# KiCad board SignalSnagger.kicad_pcb (continued)
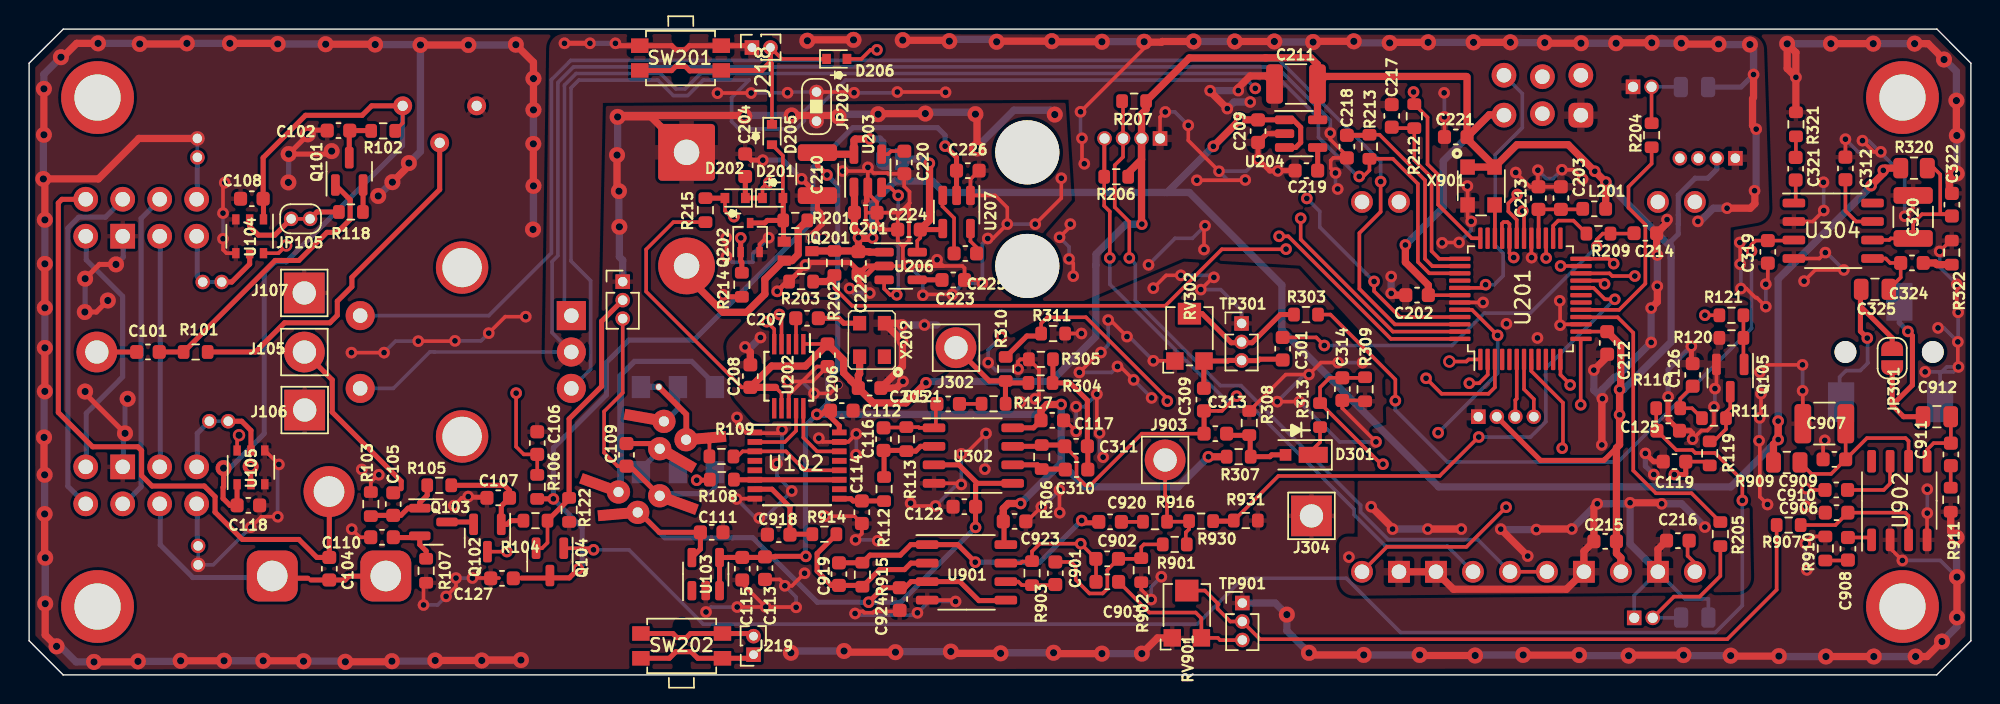
[diagram p0: board, top side]
## Routing (per net, layer and track width the routed paths; a pad name or vN(x,y) marks a point on that pad's centre or on a via; arc(x,y) is an arc through that point) (continued)
GNDD: length 500.7
  Top w0.25: U201.29 103.16,28.67 v1(103.18,28.66) ; v1(47.28,39.95) 47.28,39.96 v1(49.58,39.96) ; C203.1 C213.2 103.07,33.52 v1(102.1,34.5) ; v1(71.42,28.56) 71.7,28.27 v1(71.7,27.38) ; v1(56.65,39.98) 56.6,40.03 JP202.1 ; v1(99.03,31.14) 98.79,31.39 X901.2 98.79,33.56 v1(98.77,33.57) ; 90.5,35.64 89.36,36.78 v1(89.36,37.21) ; v1(53.9,19.33) 55,19.33 v3(55.57,19.9) ; v1(80.76,30.85) 80.68,30.78 v1(80.68,29.21) ; v1(72.46,35.1) 72.3,35.26 v1(72.3,36.85) ; v1(83.52,33.99) 83.5,33.97 v1(80.2,33.97) ; 76.98,43.45 v1(72.2,38.67) ; v1(78.02,38.66) 77.67,38.3 TP201.1 ; v1(89.71,34.47) 89.39,34.8 89.39,35.32 89.57,35.5 C218.1 ; v1(98.2,29.7) 97.06,29.7 v1(97.04,29.67) ; U201.15 105.2,24.08 v1(105.14,24.02) 105.14,25.66 v1(105.11,25.69) ; v1(105.27,34.69) 106.03,34.69 v1(106.68,34.04) ; U201.43 v1(99.85,25.58) ; C221.1 97.2,38.31 v1(97.19,38.32) ; v1(70.77,30.05) 71.51,30.79 v1(71.51,30.96) ; Q105.2 115.87,19.76 v1(115.77,19.66) ; U202.8 52.17,19.23 54.11,21.17 C206.1 53.81,20.16 v1(52.11,20.16) ; v1(114.24,16.18) 114.84,16.78 115.25,16.78 115.7,17.24 v1(115.7,18.4) ; v1(81.71,34.59) 79.61,36.7 v1(79.61,37.74) ; v1(103.61,34.66) 103.61,33.56 ; v1(59.62,40.03) 62.92,40.03 v1(62.93,40.01)
  Top w0.35: v1(38.52,43.37) v1(36.77,43.37) ; v1(114.15,22.57) 114.15,21.47 ; U204.2 85,37.17 C209.1 v1(84.39,35.41) 85.2,34.61 v1(85.76,34.61) 85.77,34.63 C219.2 ; SW202.2 43.97,1.14 44.42,1.59 45.47,1.59 45.92,1.14 SW202.2 49.63,1.14 ; C119.2 111.56,14.64 v1(110.99,15.21) ; v1(40.27,43.37) 40.43,43.21 SW201.2 44.13,43.21 44.4,42.94 45.07,42.94 45.34,43.21 SW201.2 49.52,43.21 ; v1(114.24,16.18) 114.24,16.59 114.07,16.77 113.34,16.77 112.56,17.55 v1(112.56,19.09)
  Top w0.5: C208.2 49.53,22.16 v1(49.17,22.52) ; v2(88.17,43.46) 88.23,43.51 v2(90.98,43.51) ; 58.74,24.15 v1(59.98,22.91) 59.98,21.18 C205.1 59.56,19.7 v1(60.02,20.16) ; v1(109.95,11.82) 112.05,11.82 v1(112.11,11.75) ; U205.12 111.86,8.62 C216.1 ; v2(96.08,43.44) 93.48,43.44 v2(93.43,43.4) ; v1(111.39,25.19) 111.82,25.61 v1(111.82,26.69) ; v1(98.36,10.01) v1(96.05,10.01) ; v1(105.95,10.02) 103.55,10.02 v1(103.51,9.98) ; v2(56.61,43.61) 53.51,43.61 v2(53.45,43.55) ; v1(82.29,38.89) 81.11,40.07 v1(81.11,40.12) ; v1(59.96,24.03) 59.84,24.15 X202.2 ; v1(112.48,31.27) 112.48,31.03 111.78,30.33 ; v1(111.82,28.83) 111.77,28.88 C214.2 ; C211.1 84.98,41.13 83.85,41.13 83.04,40.32 v1(83.04,40.13) ; v1(93.54,26.2) 93.66,26.08 C202.1 ; 118.11,43.23 v2(118.17,43.29) ; v2(111.43,43.41) 109.02,43.41 v2(108.98,43.38) ; v1(118.61,37.48) 118.36,37.73 118.36,39.58 ; v1(101.07,10.01) v1(102.92,8.16) ; v2(85.52,43.5) v2(82.8,43.5) ; v1(116.61,32.05) 118.2,32.05 118.52,32.36 118.52,33.23 v1(118.49,33.25) ; v2(76.58,43.48) 76.61,43.45 77.77,43.45 77.81,43.5 v2(79.97,43.5) ; v1(108,15.79) 108,18.93 v1(108.05,18.97) ; 118.42,39.65 v1(118.42,41.23) ; v2(104.08,43.42) 104.12,43.38 v2(106.58,43.38) ; v2(66.45,43.48) 66.48,43.52 v2(70.23,43.52) 70.27,43.48 v2(73.67,43.48) ; U205.19 U205.18 97.81,5.88 105.58,5.88 U205.14 106.77,8.48 C215.2 107.46,11.52 v1(107.7,11.75) ; v2(59.99,43.59) 60.01,43.58 63.14,43.58 v2(63.2,43.52) ; v1(92.17,11.55) 93.64,10.08 v1(93.64,10.01) ; 108.37,21.85 v1(107.45,20.93) ; v2(101.73,43.44) v2(99.2,43.44) ; v2(116.02,43.32) 113.52,43.32 v2(113.46,43.38)
  In1.Cu w0.25: v1(103.58,23.14) 104.46,24.02 v1(105.14,24.02) ; v1(105.14,24.02) 104.77,24.39 101.73,24.39 v1(101.45,24.11) 101.32,24.11 v1(99.85,25.58) 100.1,25.58 v1(103.18,28.66) 103.18,25.98 v1(105.14,24.02)
  In1.Cu w0.5: U205.19 92.73,7.08 92.73,7.58 92.03,8.28 91.04,8.28 90.74,7.98 v1(90.64,8.09) ; v1(101.07,10.01) 98.36,10.01 v1(98.36,10.01) ; v2(53.45,43.55) 51.35,41.45 49.84,41.45 49.64,41.66 J218.1
  In2.Cu w0.25: U205.19 90.26,3.27 85.92,3.27 84.22,1.57 82.71,1.57 81.76,2.51 50.88,2.51 J219.1
  Bottom w0.25: v1(89.71,34.47) 89.71,33.52 v1(89.86,33.37) ; v1(56.65,39.98) 59.57,39.98 v1(59.62,40.03) ; v1(115.7,18.4) 115.77,18.47 v1(115.77,19.66) ; JP202.1 52.14,40.03 v1(52.08,39.98) 49.6,39.98 v1(49.58,39.96) ; SW203.S2 25.01,19.67 27.52,22.18 27.83,22.18 27.84,22.17 SW203.C 35.91,23.5 35.91,28.38 36.31,28.78 36.31,40.68 37.38,41.75 85.69,41.75 89.36,38.08 v1(89.36,37.21) ; v1(53.9,19.33) 53.08,20.16 v1(52.11,20.16) ; v1(98.2,29.7) 99.03,30.53 v1(99.03,31.14) ; v1(84.39,35.41) 83.58,34.59 v1(81.71,34.59) 82.32,33.99 v1(83.52,33.99) ; v1(80.76,30.85) 79.89,29.98 78.7,29.98 v1(76.87,28.16) ; v1(78.02,38.66) 78.68,38.66 v1(79.61,37.74) ; v1(103.61,34.66) 104.19,34.09 104.66,34.09 v1(105.27,34.69) ; v1(97.19,38.32) 97.19,39.95 v1(97.17,39.97) ; v1(72.3,36.85) 72.2,36.95 v1(72.2,38.67) ; v1(102.1,34.5) 102.12,34.47 ; J204.1 110.23,5.45 U205.12 113.72,5.22 115.32,5.22 D204.1 ; v1(71.42,28.56) 71.42,29.4 v1(70.77,30.05)
  Bottom w0.35: v1(110.99,15.21) 110.99,14.34 v1(111.58,13.76) ; D203.1 117.57,40.37 v1(118.42,41.23) ; v1(112.56,19.09) 112.56,20.97 v1(114.15,22.57) ; v1(40.27,43.37) v1(38.52,43.37)
  Bottom w0.5: v1(82.29,38.89) 82.74,39.34 v1(83.86,39.34) ; v2(73.67,43.48) 73.68,43.49 76.57,43.49 v2(76.58,43.48) ; v2(113.46,43.38) 111.46,43.38 v2(111.43,43.41) ; v2(96.08,43.44) v2(99.2,43.44) ; U205.12 109.95,8.99 v1(109.95,11.82) 109.88,11.75 v1(107.7,11.75) 107.67,11.75 v1(105.95,10.02) ; v1(114.61,31.14) 114.76,31.14 115.66,32.05 v1(116.61,32.05) ; v1(50.22,23.17) 49.58,22.52 v1(49.17,22.52) ; v2(93.43,43.4) 91.08,43.4 v2(90.98,43.51) ; v2(88.17,43.46) 85.55,43.46 v2(85.52,43.5) ; v1(93.54,26.2) v1(93.54,27.35) 93.54,27.49 ; v1(81.11,40.12) 81.11,40.13 v1(83.04,40.13) ; 62.34,24.03 v1(61.48,24.03) 61.48,24.21 61.3,24.03 v1(59.96,24.03) 59.96,22.92 v1(59.98,22.91) ; v1(108.05,18.97) 107.45,19.56 v1(107.45,20.93) ; v2(82.8,43.5) v2(79.97,43.5) ; v2(104.08,43.42) 101.74,43.42 v2(101.73,43.44) ; v1(111.39,25.19) v1(111.39,22.83) 109,20.44 108.87,20.44 108,19.57 v1(108,15.79) ; v2(63.2,43.52) 63.32,43.64 66.29,43.64 v2(66.45,43.48) ; v1(101.07,10.01) 101.1,9.98 v1(103.51,9.98) ; v1(111.82,26.69) v1(111.82,28.83) ; v1(112.11,11.75) 113.48,11.75 v1(115.08,10.15) ; 56.64,43.59 v2(56.61,43.61) ; v2(116.02,43.32) 116.05,43.29 v2(118.17,43.29) 118.42,43.04 v1(118.42,41.23) ; v2(108.98,43.38) v2(106.58,43.38) ; v1(118.49,33.25) 118.61,33.36 v1(118.61,37.48) ; v1(96.05,10.01) v1(93.64,10.01)
Vbat: length 55.9
  Top w0.25: R202.1 55.3,26.56 56.52,25.35 78.03,25.35 81.91,29.23 86.31,29.23 v1(86.32,29.24) ; v1(104.18,28.63) 104.18,29.97
  Top w0.5: R203.2 54.85,27.01 R202.1
  In2.Cu w0.25: v1(86.32,29.24) 93.77,29.24 95.08,27.93 103.73,27.93 104.18,28.38 v1(104.18,28.63)
+BATT: length 13.5
  Top w0.5: 53.44,31.21 52.82,30.58 52.82,28.87 52.39,28.45 51.8,28.45 50.53,27.17 50.53,26.15 49.27,24.9 47.66,24.9 45.15,27.41
+VSW: length 131.8
  Top w0.35: U204.1 86.8,38.12 87.33,37.6 87.33,36.56 86.98,36.22 U204.3 ; C209.2 86.21,38.11
  Top w0.5: v1(81.33,36.3) v1(83.14,38.12) 84.39,38.12 ; 56.95,29.98 57.9,29.98 v1(57.92,30.01) ; 56.95,29.98 56.95,29.06 57.69,29.06 57.73,29.03 U206.1 ; 56.95,29.98 56.95,30.34 56.68,30.61 C201.2 56.68,33.45 ; 56.9,29.11 R202.2 53.82,29.11 ; v1(126.49,33.6) 127.33,34.44 v1(127.33,34.65) 127.48,34.8 R320.1 ; R909.1 119.79,15.84 v1(120.11,16.16) v1(120.11,17.43)
  Bottom w0.5: v1(83.14,38.12) v1(81.33,36.3) 78.15,33.13 ; 78.15,33.13 62.82,33.13 62.04,33.91 59.46,33.91 57.92,32.37 v1(57.92,30.01) 56.97,30.01 v1(56.95,30.02) ; 78.15,33.13 79.67,33.13 86.04,26.77 86.04,23.68 96.8,12.91 116.86,12.91 v1(120.11,16.16) v1(120.11,17.43) 120.11,27.18 126.49,33.56 v1(126.49,33.6) 127.33,34.44 v1(127.33,34.65)
/Processor/DAC0: length 3.7
  Top w0.25: R209.1 106.06,31.2 105.01,31.2 104.66,30.85 U201.26
/Processor/PA0: length 72.2
  Top w0.25: U201.44 99.09,25.08 v1(100.85,23.32)
  Top w0.35: 49.48,2.84 SW202.1 45.42,2.84 45.15,2.57 44.48,2.57 44.21,2.84 SW202.1
  In2.Cu w0.25: J219.2 50.06,2.96 64.26,2.96 71.03,9.73 83.28,9.73 88.83,15.28 95.41,15.28 v1(96.77,16.63)
  Bottom w0.25: v1(96.77,16.63) 96.78,16.63 100.85,20.7 v1(100.85,23.32)
/Processor/PA1: length 51.5
  Top w0.25: U201.45 94.14,24.58 92.36,26.35 v1(92.36,27.02) ; D206.2 57.15,42.3 57.78,42.92 v1(58.23,42.92)
  In2.Cu w0.25: v1(58.23,42.92) 58.54,42.61 76.75,42.61 83.22,36.13 85.26,36.13 87.74,33.64 v1(87.74,32.72)
  Bottom w0.25: v1(87.74,32.72) 88.64,31.83 88.64,30.75 v1(92.36,27.02)
/Processor/PC4: length 20.9
  Top w0.25: 106.59,24.56 109.1,24.56 110.17,23.49 110.17,14.03 111.72,12.47 114.17,12.47 R205.1
/Processor/PC5: length 15.7
  Top w0.25: R204.1 111.42,35.11 109.83,33.52 109.83,32.08 111,30.92 111,26.87 109.2,25.07 106.58,25.07
/Processor/PF2: length 99.8
  Top w0.25: v1(95.08,40.03) 95.08,39.25 ; R212.1 96.04,38.29 96.04,35.07 96.76,34.34 96.76,32.29 99.07,29.99 U201.36
  In2.Cu w0.25: v1(84.2,40.28) 94.83,40.28 v1(95.08,40.03)
  Bottom w0.25: SW203.B 38.56,21 38.56,27.07 37.21,28.42 37.21,40.31 37.75,40.85 43.17,40.85 44.24,39.79 45.23,39.79 46.3,40.85 49.45,40.85 48.24,39.64 48.24,38.01 48.75,37.5 52.68,37.5 53.24,38.06 53.24,38.71 53.73,39.21 54.42,39.21 56.06,40.85 83.63,40.85 v1(84.2,40.28)
/Processor/PF3: length 12.6
  Top w0.25: 98.24,28.57 96.85,28.57 96.31,29.1 96.31,34.16 95.13,35.34 R212.2 93.65,37.55
/Processor/PF4: length 14.6
  Top w0.25: 98.24,28.07 96.36,28.07 95.86,28.57 95.86,33.97 92.74,37.09 R213.2
  Top w0.35: C218.2 92.01,37.05
/Processor/PF5: length 89.1
  Top w0.25: 98.25,27.58 96.15,27.58 95.37,28.36 95.37,33.73 93.65,35.44 R213.1 92.05,34.65 91.62,34.23 v1(91.35,34.23)
  Bottom w0.25: v1(91.35,34.23) 91.24,34.23 88.55,36.93 88.55,38.26 85.5,41.3 46.11,41.3 45.05,40.24 44.42,40.24 43.36,41.3 37.57,41.3 36.76,40.5 36.76,25.14
/Processor/SCL1: length 4.2
  Top w0.25: U201.7 102.66,19.61 103.33,18.94 J208.4
/Processor/SDA1: length 4
  Top w0.25: U201.6 102.16,18.97 102.07,18.87 J208.3
ASSI_NEAR: length 39.2
  Top w0.25: 91.7,20.4 C314.1 89.32,20.4 88.65,19.74 R313.2 92.85,14.47 v1(92.98,14.47) ; U201.24 108.49,28.58 v1(108.82,28.24)
  In2.Cu w0.25: v1(108.82,28.24) 109.55,27.51 109.55,26.17 109.62,26.09 109.62,25.24 105.11,20.73 105.11,19.61 105.11,19.6 105.11,17.54 102.05,14.47 v1(92.98,14.47)
Audio I: length 38.6
  Top w0.25: R931.1 85.79,13.66 96.86,13.66 99.54,16.33 v1(99.55,16.33) ; v1(108.89,25.79) 108.22,25.79 107.44,26.58 U201.20
  Top w0.35: R930.2 82.69,10.56
  Bottom w0.25: v1(108.89,25.79) 104.16,21.06 104.16,17.39 103.11,16.33 v1(99.55,16.33)
Audio Q: length 56.2
  Top w0.25: 69.5,23.41 69.5,24.14 69.92,24.56 72.58,24.56 78.17,18.97 v1(78.17,18.8) ; v1(108.2,26.85) 107.97,27.08 U201.21
  Top w0.35: 67.08,21.83 68.52,23.27 69.64,23.27
  In2.Cu w0.25: 104.55,18.47 104.55,21.19 108.17,24.82 108.17,26.83 v1(108.2,26.85) ; 104.54,18.52 104.54,17.76 102.38,15.61 99.01,15.61 97.18,17.43 79.54,17.43 v1(78.17,18.8)
Cardioid_Back: length 99.3
  Top w0.25: v4(14.42,16.46) 14.28,16.33 U105.6 ; v1(98.9,20.03) 99.58,20.03 100.17,20.62 100.17,21.66
  In2.Cu w0.25: v4(14.42,16.46) 14.23,16.27 14.23,14.06 14.9,13.39 17.97,13.39 22.7,18.12 27.84,18.12 28.34,18.62 31.05,18.62 31.38,18.3 38.07,18.3 40.65,20.88 62.13,20.88 62.29,20.72 66.16,20.72 66.59,21.14 66.59,21.16 69.21,23.78 69.93,23.78 71.73,25.59 89.55,25.59 95.68,19.45 98.33,19.45 v1(98.9,20.03)
Cardioid_Front: length 89.8
  Top w0.25: U201.1 98.85,21.66 98.7,21.52 v4(97.54,21.52) ; v4(17.65,29.49) 17.12,28.96 U104.6
  In2.Cu w0.25: v4(97.54,21.52) 94.89,21.52 89.92,26.48 88.05,26.48 82.4,32.13 62.77,32.13 61.38,30.75 43.16,30.75 42.13,29.72 34.24,29.72 33.63,30.33 18.49,30.33 v4(17.65,29.49)
Display_Reset: length 24.4
  Top w0.25: v1(105.29,15.57) 105.29,15.64 105.33,15.69 105.33,18.69 103.16,20.86 U201.8 ; v1(101.43,11.52) 98.7,8.79 93.24,8.79 U205.20
  In2.Cu w0.25: v1(101.43,11.52) 105.29,15.37 v1(105.29,15.57)
Encoder_switch: length 104.4
  Top w0.25: 98.24,24.07 93.8,24.07 91.36,26.51 91.36,30.34 92.82,31.8 v1(92.82,33.88)
  Bottom w0.25: v1(92.82,33.88) 92.82,35.26 85.87,42.2 37.2,42.2 35.86,40.87 35.86,28.97 31.57,24.67 SW203.S1
Headphone: length 98.7
  Top w0.25: D201.1 50.36,33.45 50.72,33.81 v1(50.8,33.81)
  Top w0.35: 49.19,34.22 D202.1 D201.1 ; 125.77,25.32 127.95,23.14 JP301.1 ; 125.77,25.32 125.77,26.43 ; 125.77,25.32 125.77,23.6 v1(126.23,23.13)
  In2.Cu w0.25: v1(50.8,33.81) 52.4,32.21 61.57,32.21 62.45,33.09 83.9,33.09 86.57,30.42 120.63,30.42 126.23,24.82 v1(126.23,23.13)
  Bottom w0.25: v1(126.23,23.13) 126.26,23.11 126.26,21.46 126.29,21.43 125.76,20.9 124.79,20.9 124.33,20.45 124.33,18.67
Headphone Detect: length 57.2
  Top w0.25: 98.22,23.08 93.52,23.08 86.48,30.12 v1(85.85,30.12) ; v1(48.41,31.47) 48.19,31.47 47.78,31.87 D202.2
  Top w0.35: R215.2 47.78,32.74
  In2.Cu w0.25: v1(85.85,30.12) 83.39,32.58 62.58,32.58 61.47,31.47 v1(48.41,31.47)
I OUT: length 7.4
  Top w0.25: 79.43,9.03 79.43,9.78 79.66,10 R930.1 ; J903.1 78.02,12.33 78.14,12.2 R916.2 79.62,10.52
I_amped: length 74.1
  Top w0.25: R903.2 68.87,8.48 69.4,9.01 v1(72.22,9.01) C902.1 ; C903.1 73.27,7.96 ; v1(110.27,27.39) 108.72,27.39 108.54,27.58 U201.22 ; 66.95,7.67 68.09,7.67 68.2,7.78 68.85,7.78
  In2.Cu w0.25: v1(72.22,9.01) 97.12,9.01 97.8,8.33 97.8,6.91 98.71,6.01 104.68,6.01 105.31,6.63 105.31,7.76 105.7,8.15 109.94,8.15 110.57,8.78 110.57,11.42 110.67,11.52 110.67,12.12 110.21,12.57 110.21,27.33 v1(110.27,27.39)
Power_enable: length 62.9
  Top w0.25: U201.3 100.66,19.75 100.22,19.31 97,19.31 v1(95.93,20.37)
  Top w0.35: v1(48.88,30.01) 48.86,30 Q202.1 48.86,28.41 48.94,28.33 48.94,27.66
  In2.Cu w0.25: v1(95.93,20.37) 95.45,20.86 94.91,20.86 89.74,26.04 87.86,26.04 82.22,31.68 63.11,31.68 60.45,29.03 49.86,29.03 v1(48.88,30.01)
Processor Audio: length 27.7
  Top w0.25: v1(88.95,22.62) 88.39,23.17 C301.1 ; 110.07,30.31 R209.2 108.07,30.31 107.66,29.89 v1(107.66,29.41)
  Bottom w0.25: v1(107.66,29.41) 103.09,24.85 99.94,24.85 97.7,22.62 v1(88.95,22.62)
PWM: length 20.7
  Top w0.25: v1(115.08,24.7) 116.08,24.7 ; 101.14,30.01 101.14,30.99 101.26,31.1 101.52,31.1 101.66,30.96 U201.32 101.66,28.96 v1(101.95,28.66)
  In2.Cu w0.25: v1(115.08,24.7) 114.92,24.7 110.65,28.97 108.49,28.97 108.21,28.69 106.68,28.69 105.87,29.49 102.78,29.49 v1(101.95,28.66)
Q OUT: length 7.3
  Top w0.35: R304.1 67.2,20.05 ; J302.1 65.94,20.19 R310.1 ; 67.05,18.63 67.05,20.17
Q_amped: length 50.8
  Top w0.25: v1(105.17,28.08) 106.57,28.08 ; v1(82.92,19.14) 81.92,18.13 C309.1 ; 80.69,16.56 76.42,16.56 72.88,13.02 72.53,13.02 71.93,13.62 71.93,14.9 C311.1
  Top w0.35: 67.42,15.69 69.45,15.69 ; 80.69,16.56 80.69,18.11 ; R306.2 71.04,15.78
  In2.Cu w0.25: v1(82.92,19.14) 84.02,18.04 98.31,18.04 102.64,22.37 102.64,23.73 103.95,25.04 103.95,26.92 105.07,28.04 105.13,28.04 v1(105.17,28.08)
QSD_CLK0: length 4.9
  Top w0.25: U102.14 54.11,15.35 53.17,16.3 U202.10
QSD_CLK1: length 4.7
  Top w0.25: 49.85,15.99 51.9,15.99 52.67,16.76 U202.9
RXD: length 15.7
  Top w0.25: v1(102.2,32.99) 101.58,32.38 101.58,31.83 102.16,31.25 U201.31
  In2.Cu w0.25: v1(102.2,32.99) 102.22,33.02 109.58,33.02 112.04,35.48 J209.4
SCL0: length 91.7
  Top w0.25: v1(74.21,28.64) 74.21,31.82 73.83,32.21 73.83,36.81 ; U202.4 51.67,24.6 v1(51.52,24.75) ; v1(106.55,18.55) 106.55,23.05 ; 73.86,34.23 TP201.4
  In2.Cu w0.25: v1(74.21,28.64) 74.21,28.4 72.47,26.66 71.53,26.66 69.62,24.75 v1(51.52,24.75) ; v1(106.55,18.55) 106.55,17.94 99.15,10.54 U205.17
  Bottom w0.25: U205.17 97.39,8.84 93.15,8.84 90.99,11 90.99,11.38 83.96,18.42 82.62,18.42 74.21,26.83 v1(74.21,28.64)
SDA0: length 98.1
  Top w0.25: 75.12,39.33 TP201.3 75.12,35.57 74.55,35 74.55,32.12 75.55,31.12 v1(75.55,28.64) ; U201.12 105.16,20.61 105.83,19.94 v1(105.83,19.91) ; U205.16 U205.15 ; U202.5 51.17,23.74 v1(50.65,24.26)
  In2.Cu w0.25: v1(105.83,19.91) 105.89,19.85 106.73,19.85 107.28,19.31 107.28,13.5 104.23,10.46 U205.15 ; v1(50.65,24.26) 52.72,22.19 60.94,22.19 62.98,24.23 69.74,24.23 71.72,26.21 72.9,26.21 75.33,28.64 v1(75.55,28.64)
  Bottom w0.25: v1(75.55,28.64) 75.96,28.23 75.96,25.71 81.81,19.86 83.23,19.86 91.44,11.65 91.44,11.18 93.33,9.29 99.49,9.29 U205.16
SenseSwitch: length 18.9
  Top w0.25: J218.2 51.7,42.3 D206.1 ; D205.1 51.02,42 50.91,42.11
  Top w0.35: SW201.1 50.31,41.51 50.91,42.11 J218.2 ; 47.5,41.48 45.37,41.48 45.07,41.78 44.4,41.78 44.12,41.5 41.94,41.5
TXD: length 15.9
  Top w0.25: v1(102.58,31.86) 102.66,31.77 U201.30
  In2.Cu w0.25: J209.3 114.64,34.73 114.14,34.23 111.42,34.23 109.77,32.57 103.29,32.57 v1(102.58,31.86)
Vref: length 61.3
  Top w0.35: 65.12,13.16 65,13.03 65,11.55 ; 65.12,13.16 63.85,14.42 62.27,14.42 ; 65.12,13.16 67.42,13.16 ; v1(64.99,10.13) 64.99,11.55 ; v1(57.65,4.99) 58.65,5.98 C924.1 60.15,5.98 60.57,6.41 63.92,6.41 65.23,5.1 66.92,5.1 ; 41.89,11.17 43.28,9.79 C111.1 46.1,8.64 U103.5
  In1.Cu w0.5: T101.2 41.8,16.74 42.46,17.41 T101.2
  Bottom w0.35: v1(64.99,10.13) 59.86,4.99 v1(57.65,4.99) 54.12,4.99 49.69,9.42 48.31,9.42 48.3,9.41 43.66,9.41 41.89,11.17
Net-(AE101-Pad1): length 2.7
  Top w0.35: J108.1 7.38,22.17
Net-(AE102-Pad19): length 12.1
  Top w0.35: 25.55,12.78 25.55,13.3 20.81,18.04 20.81,20.26 J105.1
Net-(C101-Pad2): length 19.7
  Top w0.35: C101.2 R101.1 16.89,28.46 18.53,28.46 20.45,30.39 21.16,30.39 22.04,31.28 22.04,32.63 Q101.1
Net-(C102-Pad1): length 3.3
  Top w0.35: 22.02,37.38 23.47,37.38 ; Q101.3 21.98,37.34
Net-(C103-Pad1): length 20.4
  Top w0.35: 19.35,6.52 C104.2 21.7,6.52 21.97,6.78 24.48,6.78 ; 15.23,6.64 19.14,6.64
  Bottom w0.35: 9,11.69 9,8.92 11.24,6.69 16.59,6.69
Net-(C103-Pad2): length 45.3
  Top w0.35: 3.92,32.66 2.25,32.66 2,32.41 2,18.02 4.36,15.67 7.46,15.67 7.72,15.4 7.72,13.69 8.44,12.97 12.03,12.97 12.77,12.23 12.77,11.18 14.64,9.3 18.53,9.3 19.76,8.06 20.61,8.06 20.61,12.57
Net-(C105-Pad2): length 5.3
  Top w0.35: R105.2 27.34,12.33 26.83,11.82 Q103.1 26.03,11.45 25.53,10.95 C105.2 23.52,10.95
Net-(C106-Pad1): length 34.6
  Top w0.25: C109.1 40.41,14.33 39.48,15.26 39.48,18.09 40.77,19.37 RV102.3 ; R106.2 C106.1 33.97,15.14 33.44,15.67 v1(33.44,19.35)
  Top w0.35: 41.27,14.33 T101.4
  In2.Cu w0.25: v1(33.44,19.35) 35.25,21.15 35.25,25.51 35.75,26.01 38.58,26.01 40.13,24.47 RV102.3
Net-(C107-Pad1): length 8.3
  Top w0.35: 32.97,12.14 32.42,11.59 Q102.1 32.82,10.34 33.08,10.59 R104.2 ; C107.1 32.99,12.67 32.64,13.02 R105.1
Net-(C109-Pad2): length 16.6
  Top w0.25: v1(32.81,8.47) 32.81,8.46 Q102.3
  Top w0.35: C109.2 42.95,15.89
  In2.Cu w0.25: 43.3,15.38 41.58,15.38 34.67,8.47 v1(32.81,8.47)
Net-(C110-Pad1): length 4
  Top w0.35: Q103.2 26.83,8.95 27.27,8.51 R107.1 ; 25.03,9.43 27.29,9.43
Net-(C114-Pad1): length 3.4
  Top w0.35: 58.7,11.94 56.59,11.94 56.43,12.1 55.39,12.1
Net-(C116-Pad1): length 5.1
  Top w0.25: 62.27,18.54 62.27,16.97 61.13,16.97 61.08,17.02 R113.1 ; 58.7,16.99 60.22,16.99
Net-(C116-Pad2): length 5.5
  Top w0.35: R113.2 60.89,15.36 61.22,15.69 62.27,15.69 ; 58.71,13.58 58.71,15.38 ; 58.67,15.42 60.2,15.42
Net-(C121-Pad2): length 1.5
  Top w0.25: C121.2 65.4,18.61
Net-(C125-Pad2): length 104.1
  Top w0.25: C125.2 113.12,15.44 114.22,15.44 114.43,15.24 115.78,15.24 117.65,13.36 v1(117.65,11.98) ; 111.74,18.31 111.74,16.82 ; v1(38.76,8.59) 38.65,8.7 Q104.1
  Bottom w0.25: v1(117.65,11.98) 117.65,4.76 115.8,2.91 94.19,2.91 90.46,6.63 83.37,6.63 80.21,3.48 46.3,3.48 41.19,8.59 v1(38.76,8.59)
Net-(C126-Pad2): length 3.6
  Top w0.25: R111.1 114.2,18.31 R110.2 113.39,18.97 C126.2
Net-(C203-Pad2): length 5
  Top w0.25: 106.66,31.97 C203.2 C213.1 ; U201.28 103.66,31.96
Net-(C207-Pad1): length 3
  Top w0.35: C207.1 55.61,24.49 55.95,24.15 X202.3
Net-(C207-Pad2): length 1.8
  Top w0.25: U202.2 52.67,24.47
Net-(C216-Pad2): length 1.6
  Top w0.25: 113.89,9.11 113.89,8.18 114.39,7.68
Net-(C219-Pad1): length 1.6
  Top w0.35: U204.4 88.49,34.63
Net-(C220-Pad1): length 1.6
  Top w0.25: U203.4 58.98,35.76 59.2,35.97 60.1,35.97
Net-(C223-Pad1): length 1.7
  Top w0.35: U206.4 62.68,27.13
Net-(C224-Pad2): length 9.9
  Top w0.25: U206.5 60.99,29.81 61.2,30.02 C224.2
  Top w0.35: C224.2 62.67,30.58
  Top w0.5: v1(61.82,35.13) 61.83,35.12 61.83,31.22 61.2,30.58
  Bottom w0.5: v1(61.82,35.13) 61.52,35.43 JP201.1
Net-(C225-Pad1): length 4.3
  Top w0.25: C225.1 63.52,31.38 62.72,32.18 62.72,32.9
Net-(C225-Pad2): length 1.9
  Top w0.25: U207.5 64.64,29.78 65.07,29.36 C225.2
Net-(C301-Pad2): length 7.3
  Top w0.35: TP301.3 82.36,21.59 82.32,21.55 RV302.3 ; 86.03,21.68 84.49,21.68 84.39,21.58 83.28,21.58 ; C309.2 80.67,21.55
Net-(C310-Pad1): length 3.8
  Top w0.35: 67.42,14.42 69.25,14.42 69.54,14.14 71.12,14.14
Net-(C310-Pad2): length 9.2
  Top w0.35: R304.2 71.48,20.05 72.67,18.86 C311.2 ; C310.2 72.7,15.67 ; R305.1 70.31,20.08
Net-(C312-Pad2): length 4.2
  Top w0.25: 126.47,31.14 125.47,31.14 124.73,31.87 C312.2
Net-(C313-Pad2): length 5.3
  Top w0.35: 82.36,16.45 83.77,16.45 ; D301.2 85.33,15.11 85.21,14.98 R307.2 ; 83.86,16.41 83.86,15.02
Net-(C319-Pad1): length 47.9
  Top w0.25: v1(118.29,29.1) 118.29,29.55 118.56,29.83 C319.1 121.28,29.83 ; R303.2 89.37,24.75 93.83,20.29 v1(93.83,18.83)
  Bottom w0.25: v1(93.83,18.83) 93.83,18.19 97.39,14.62 109.11,14.62 118.29,23.8 v1(118.29,29.1)
Net-(C320-Pad1): length 11.1
  Top w0.25: 131.87,31.64 129.99,31.64 129.38,31.03 C320.1 127.85,29.97 127.74,29.86 126.47,29.86 ; R320.2 130.81,34.8 131.25,34.37 131.25,31.66 131.22,31.64 131.78,31.64
Net-(C321-Pad1): length 1.6
  Top w0.25: 121.32,32.41 121.32,33.98
Net-(C321-Pad2): length 1.4
  Top w0.25: R321.1 121.33,35.55
Net-(C324-Pad1): length 2
  Top w0.5: C324.1 130.9,28.29 131.02,28.17 R322.1
Net-(C324-Pad2): length 4.3
  Top w0.25: 126.47,28.59 127.5,28.59 127.8,28.29 C324.2 128.53,27.3 C325.2
Net-(C901-Pad1): length 3.6
  Top w0.25: 70.43,6.16 R903.1 68.17,6.16 67.93,6.41 66.95,6.41
Net-(C901-Pad2): length 11.3
  Top w0.25: C901.2 71.56,7.75 71.87,7.44 71.87,6.53 72.82,5.59 73.72,5.59 74.05,5.91 74.05,7.2 C902.2 76.33,7.97 ; R901.2 76.55,8.96 76.37,8.78 R902.1
Net-(C903-Pad2): length 10.9
  Top w0.25: 83.3,2.39 81.79,2.39 81.64,2.54 RV901.3 80.51,3.89 80.11,4.28 76.93,4.28 C903.2
Net-(C906-Pad1): length 9.4
  Top w0.25: R907.2 124.05,10.29 C906.1 128.85,11.14 129.07,10.92 129.07,9.39
Net-(C907-Pad1): length 12.8
  Top w0.25: C909.1 126.21,16.26 128.87,16.26 129.07,16.05 129.07,14.55 ; C909.1 123.75,13.8 122.41,13.8 R909.2 ; C909.1 124.75,17.24
Net-(C908-Pad1): length 1.6
  Top w0.25: C908.1 126.49,9.44
Net-(C908-Pad2): length 1.5
  Top w0.25: 123.36,7.86 124.87,7.86
Net-(C910-Pad2): length 4.5
  Top w0.25: C910.2 127.36,12.7 127.8,13.14 127.8,14.55
Net-(C911-Pad1): length 1.5
  Top w0.25: R911.1 131.96,14.36
Net-(C911-Pad2): length 4.5
  Top w0.25: 131.98,17.72 C911.2 130.79,15.92 130.34,15.47 130.34,14.55
Net-(C912-Pad1): length 13.1
  Top w0.35: v1(129.02,23.59) 129.33,23.28 129.33,19.9 127.95,18.51 ; JP301.2 127.95,18.51 ; 127.95,18.51 128.73,17.73 C912.1
  Bottom w0.35: J301.1 128.44,24.18 v1(129.02,23.59)
Net-(C918-Pad1): length 6.3
  Top w0.35: 52.25,9.63 52.25,11.52 51.02,12.75 U102.7 ; 52.28,9.66 R914.2
Net-(C919-Pad1): length 11.8
  Top w0.35: 57.14,6.14 C919.1 55.1,6.14 54.11,7.13 54.11,8.33 R914.1 ; R915.1 58.4,7.23 60.11,7.23 60.56,7.67 61.8,7.67
Net-(C919-Pad2): length 20
  Top w0.35: v1(64.98,7.74) 63.77,8.94 60.55,8.94 59.83,8.22 57.74,8.22 R915.2 ; v1(72.29,10.6) 72.45,10.44 73.39,10.44 ; 55.62,7.7 57.22,7.7
  Bottom w0.35: v1(72.29,10.6) 72.27,10.6 69.42,7.74 v1(64.98,7.74)
Net-(C920-Pad2): length 1.5
  Top w0.25: C920.2 76.48,10.51
Net-(D201-Pad2): length 9.3
  Top w0.25: D205.2 51.77,35.66 D201.2
  Top w0.35: 51.8,29.75 51.8,31.19 ; Q202.3 50.52,31.03 50.69,31.21 R201.2 51.79,32.72
Net-(D203-Pad2): length 4.5
  Top w0.25: 111.42,37.89 J203.2
  Bottom w0.25: J203.2 113.41,40.39
Net-(D204-Pad2): length 9.8
  Top w0.25: R205.2 116.14,6.79 114.73,5.37 112.96,5.37 111.5,3.92
  Bottom w0.25: 111.5,3.92 113.43,3.92
Net-(D301-Pad1): length 1.7
  Top w0.25: R313.1 88.65,15.98 88.18,15.51
Net-(J102-Pad2): length 18
  Bottom w0.35: 3.92,30.12 3.92,28.5 6.42,26 6.42,20.47 3.92,17.97 3.92,14.23
Net-(J102-Pad3): length 24.1
  Bottom w0.35: 3.92,11.69 2.66,12.95 2.66,30.69 3.41,31.43 5.24,31.43 6.47,32.66
Net-(J102-Pad5): length 22
  Bottom w0.35: 6.47,11.69 7.69,12.91 7.69,31.34 9,32.66
Net-(J102-Pad6): length 15.9
  Bottom w0.35: 9,14.23 9,30.12
Net-(J102-Pad7): length 2.9
  Bottom w0.35: 11.55,32.66 11.55,35.53
Net-(J102-Pad8): length 3.3
  Bottom w0.35: 11.55,30.12 11.55,27.36 JP104.2
Net-(J104-Pad7): length 3.5
  Bottom w0.35: 11.55,14.23 11.55,16.59 JP106.2
Net-(J104-Pad8): length 2.8
  Bottom w0.35: 11.55,11.69 11.55,8.92
Net-(J909-Pad1): length 19.7
  Top w0.25: Q104.2 35.22,8.7 35.6,9.08 35.6,10.59
  Top w0.35: RV102.2 39.31,24.28 39.31,19.81 37.08,17.58 R122.1 ; 35.6,10.59 37.14,12.13
Net-(JP104-Pad1): length 3.2
  Top w0.35: JP104.1 13.92,26.98 15.14,28.21 U104.5
Net-(JP105-Pad1): length 2.2
  Top w0.35: R118.1 19.77,31.79 JP105.1
Net-(JP105-Pad2): length 23.4
  Top w0.35: v2(15.22,14.31) 15.22,13.11 ; U104.2 15.14,30.8 15.75,30.2 16.88,30.2 JP105.2
  In2.Cu w0.35: 18,31.29 15.22,28.51 v2(15.22,14.31)
Net-(JP106-Pad1): length 3.2
  Top w0.35: U105.5 15.23,16.78 14.59,17.42 JP106.1
Net-(P201-Pad1): length 18.6
  Top w0.25: v1(100.02,26.8) 99.8,26.58 U201.41
  Bottom w0.25: P201.1 102.55,39.92 102.55,37.58 100.68,35.72 100.68,29.5 101.23,28.96 101.23,27.41 100.61,26.8 v1(100.02,26.8)
Net-(Q101-Pad2): length 1.8
  Top w0.35: Q101.2 22.94,31.8
Net-(Q102-Pad2): length 1.9
  Top w0.35: Q102.2 30.36,10.5 Q103.3
Net-(Q105-Pad1): length 3.3
  Top w0.25: 117.73,24.69 117.73,21.37
Net-(Q105-Pad3): length 4.2
  Top w0.25: Q105.3 116.83,18.34 116.53,18.05 R111.2 116.53,16.88 115.84,16.19 115.32,16.19
Net-(R101-Pad2): length 24.7
  Top w0.35: RV101.2 28.19,33.33 22.17,27.3 22.17,26.66 21.17,25.66 21.17,24.69 20.66,24.18 17.55,24.18 15.54,22.18 R101.2
Net-(R108-Pad1): length 7.2
  Top w0.35: 48.41,13.4 U102.6 U102.11
Net-(R108-Pad2): length 6.7
  Top w0.35: v1(45.85,13.37) 46.71,13.37
  In2.Cu w0.35: T101.3 41.39,13.47 45.74,13.47 v1(45.85,13.37)
Net-(R109-Pad1): length 7.7
  Top w0.25: U102.12 53.27,14.05 51.98,15.35 U102.3 49,15.35 48.64,15
Net-(R109-Pad2): length 1.4
  Top w0.25: T101.1 46.72,15.89 R109.2
Net-(R303-Pad1): length 8.8
  Top w0.35: R303.1 85.92,24.75 83.98,22.81 82.55,22.81 80.56,24.8 79.68,24.8
Net-(R907-Pad1): length 48.1
  Top w0.25: R907.1 120.01,5.84 116.61,2.45 84.53,2.45 TP901.2 82.49,3.67 81.61,4.54 81.61,4.93 ; RV901.2 80.74,5.79 81.7,4.84
Net-(U201-Pad34): length 2.3
  Top w0.25: U201.34 100.66,32.25

## Copper pours and planes (outline as drawn; the poured copper is in the pictures)
GND on Top, Bottom, In1.Cu, In2.Cu: 132.98,2.67 130.75,0.44 2.75,0.38 0.42,2.7 0.42,41.71 2.72,43.98 130.74,43.99 132.99,41.75
GNDD on Top, Bottom, In1.Cu, In2.Cu: 119.55,31.19 116.86,30.72 116.86,25.92 118.35,25.67 118.17,10.94 118.29,5.7 89.99,5.43 89.94,9.53 91.23,9.48 91.23,16.57 93.2,17.18 93.08,21.75 87.29,28.1 79.27,28.59 68.95,24.21 59.55,18.9 54.1,18.97 53.95,17.33 49.89,17.31 48.34,19.09 47.81,22.86 50.76,25.88 65.48,25.4 68.77,29.07 71.83,32.54 71.37,39.5 39.41,39.28 39.03,20.85 35.39,21.02 35.72,44.02 119.11,43.94

## Text on the board
B.Silkscreen: Sense Adjust | Connect Programmer / This Side Only! | SignalSnagger: 80m Radio-O Receiver / Ver. 1-Jun-2024 | KT-70 Plastic Electronics Enclosure / 5.50 x 2.00 x 0.80 in / 140 x 51 x 20 mm / 0.13 lbs | Place T101 on this side. / Solder T101 on other side. | LEFT | RIGHT
